# KiCad board panel_vcuts.kicad_pcb
title: Current Sense Amplifier; date: 2023-02-27; rev: A; company: Designed by Tobias N.; note: - Current Sense Amplifier -
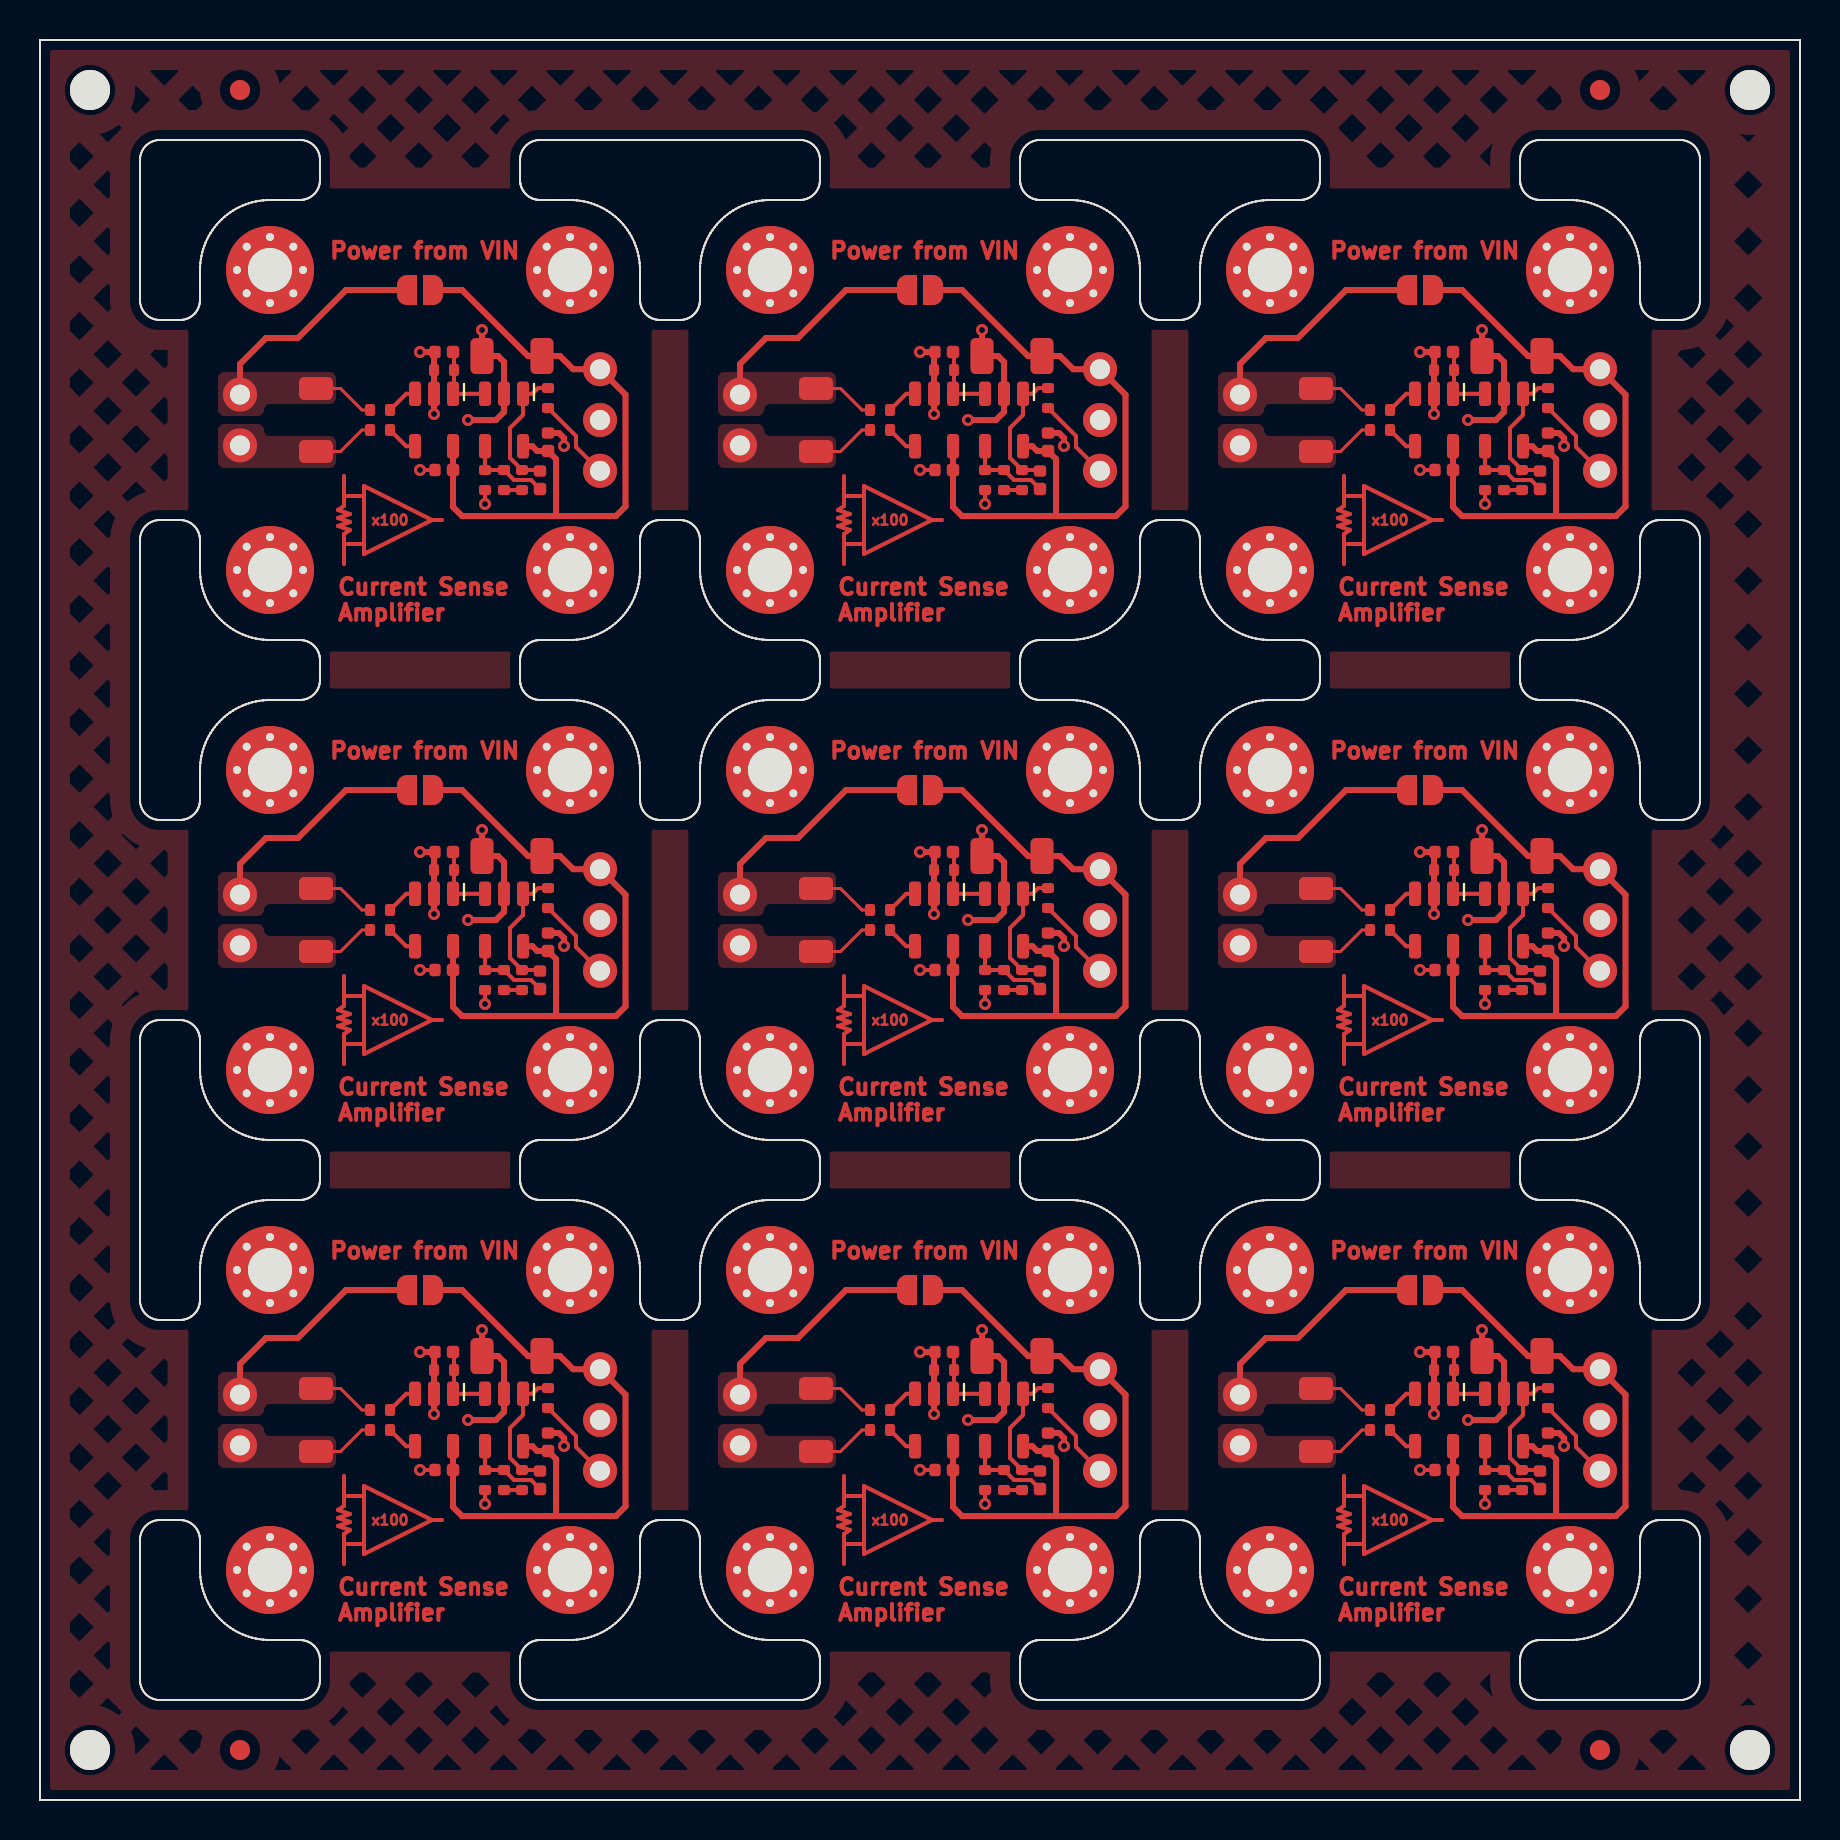
[diagram p0: board, top side]
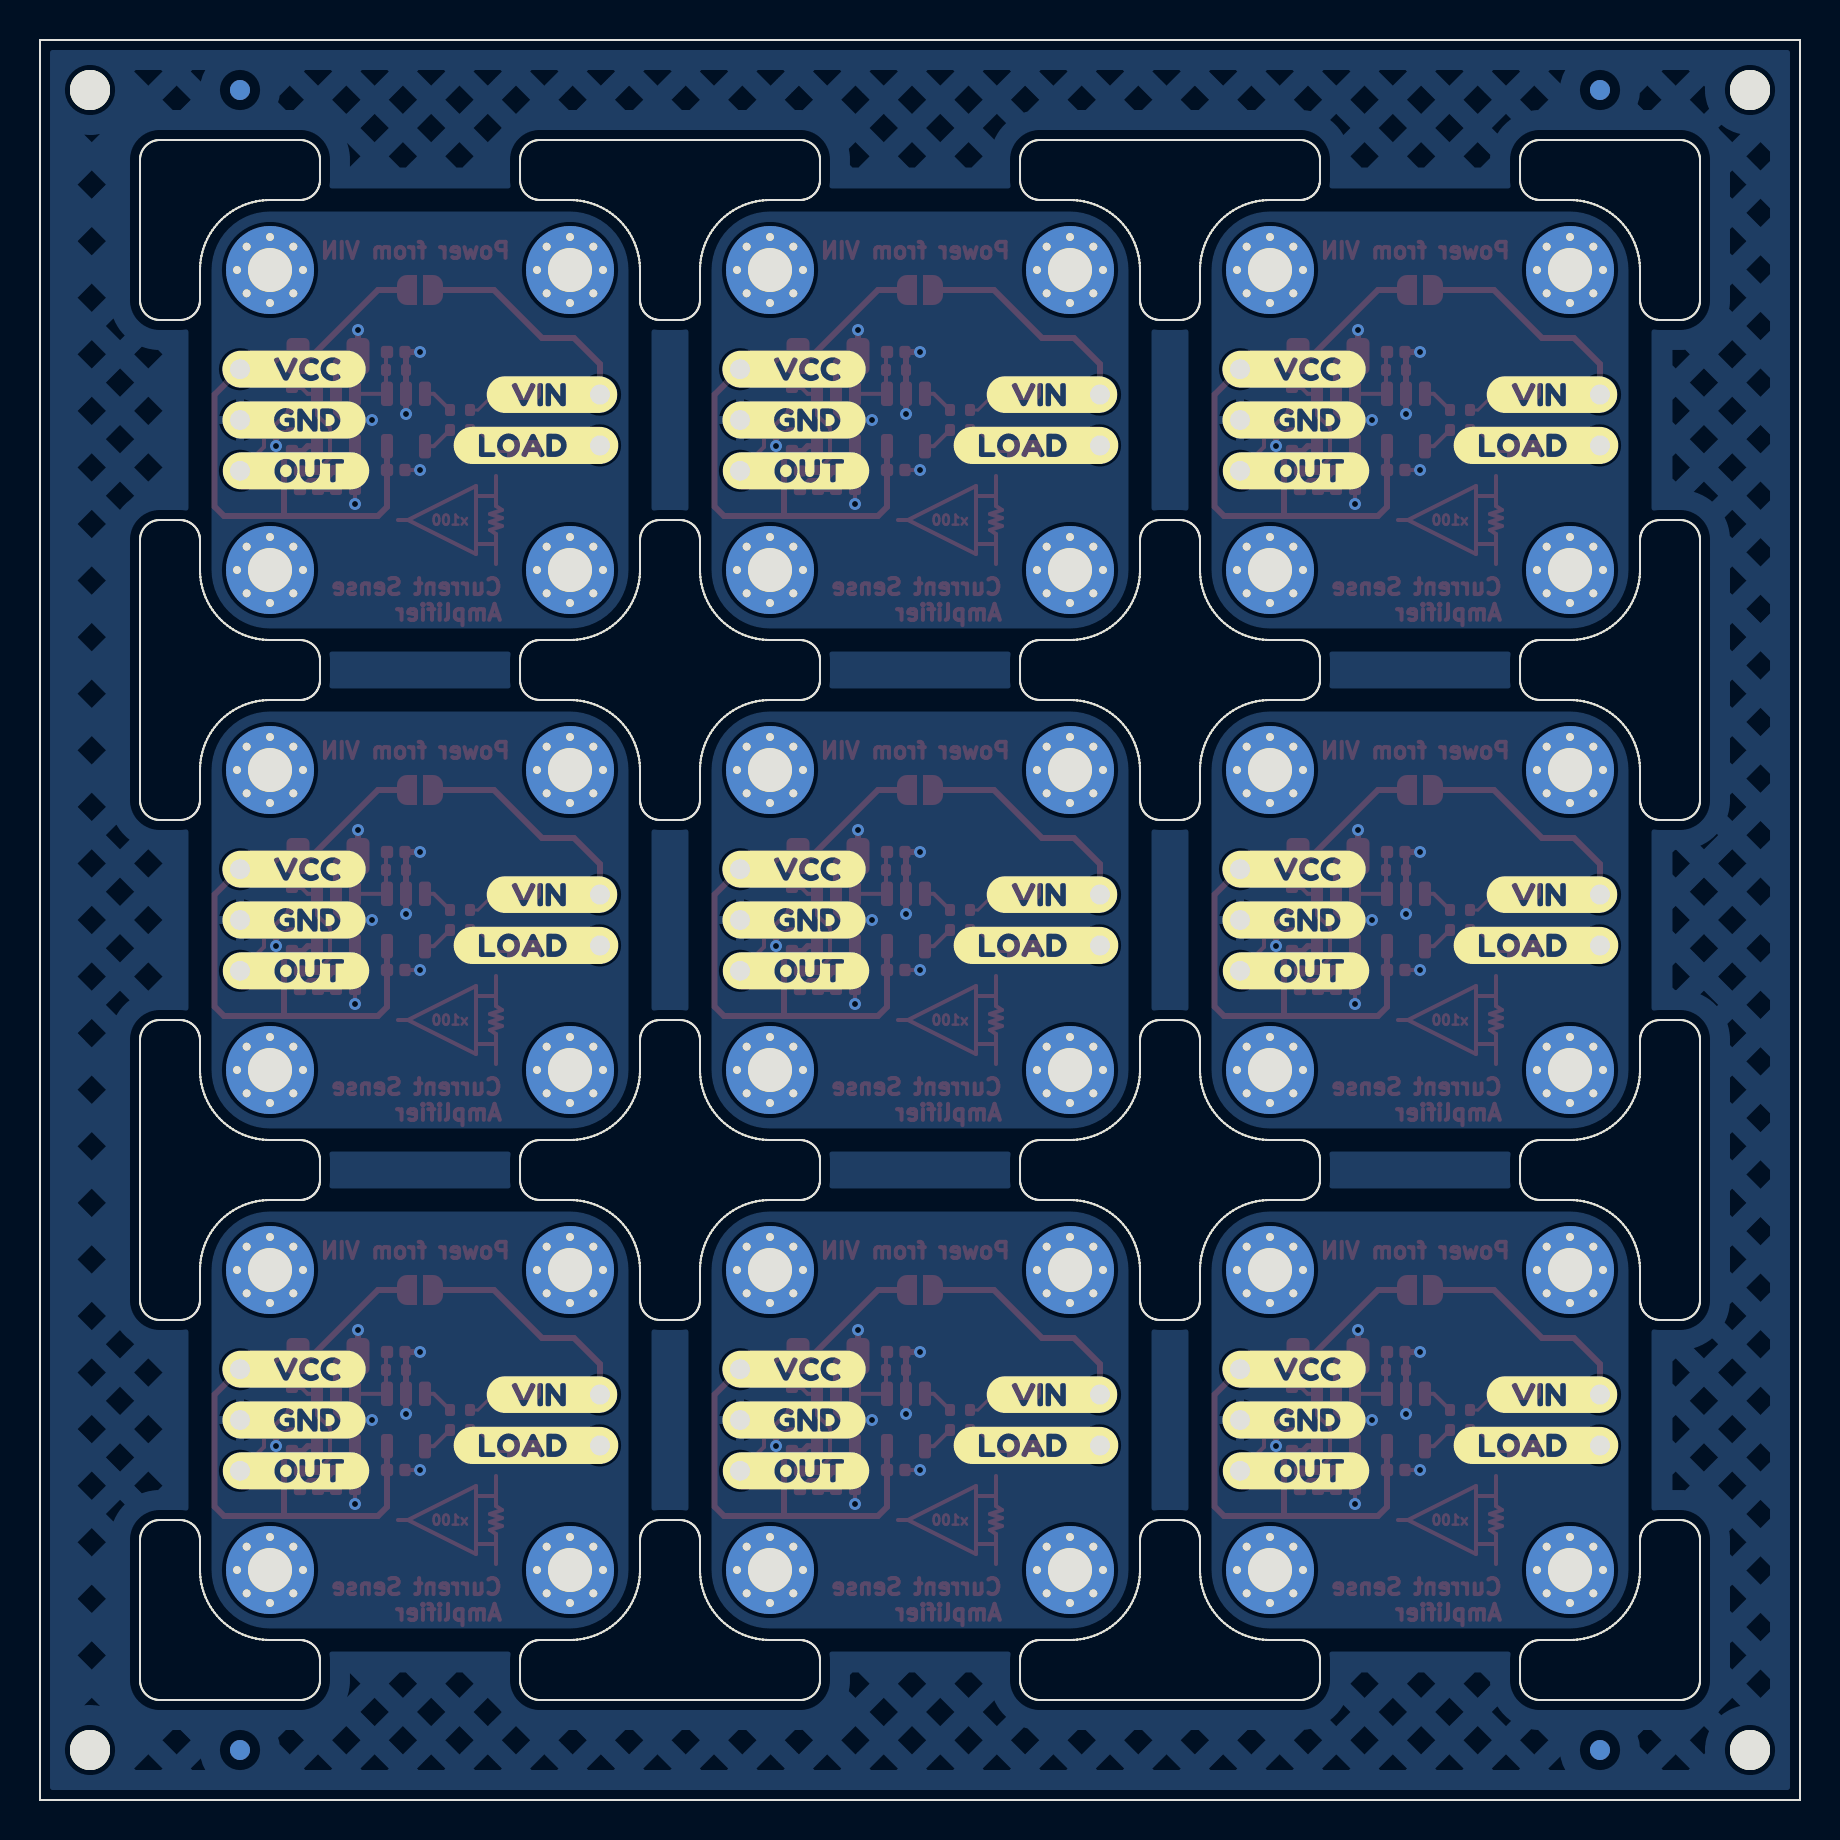
[diagram p1: board, bottom side, seen from below]

Outline 88 x 88 mm; copper layers: Top, Bottom. Coordinates in mm from the lower left corner of the outline.
Stack: Top 0.035mm / dielectric 1.51mm FR4 er 4.5 / Bottom 0.035mm

## Placement (name value [footprint] x y rotation side)
C1  2.2uF  [C_1206_(3216_Metric)]  73.6 47.2 180 top
C1#2  2.2uF  [C_1206_(3216_Metric)]  73.6 22.2 180 top
C1#3  2.2uF  [C_1206_(3216_Metric)]  48.6 22.2 180 top
C1#4  2.2uF  [C_1206_(3216_Metric)]  48.6 47.2 180 top
C1#5  2.2uF  [C_1206_(3216_Metric)]  23.6 22.2 180 top
C1#6  2.2uF  [C_1206_(3216_Metric)]  23.6 47.2 180 top
C1#7  2.2uF  [C_1206_(3216_Metric)]  23.6 72.2 180 top
C1#8  2.2uF  [C_1206_(3216_Metric)]  48.6 72.2 180 top
C1#9  2.2uF  [C_1206_(3216_Metric)]  73.6 72.2 180 top
C2  100nF  [C_0402_(1005_Metric)]  20.2 41.5 180 top
C2#2  100nF  [C_0402_(1005_Metric)]  45.2 16.5 180 top
C2#3  100nF  [C_0402_(1005_Metric)]  20.2 16.5 180 top
C2#4  100nF  [C_0402_(1005_Metric)]  70.2 41.5 180 top
C2#5  100nF  [C_0402_(1005_Metric)]  70.2 16.5 180 top
C2#6  100nF  [C_0402_(1005_Metric)]  20.2 66.5 180 top
C2#7  100nF  [C_0402_(1005_Metric)]  45.2 66.5 180 top
C2#8  100nF  [C_0402_(1005_Metric)]  45.2 41.5 180 top
C2#9  100nF  [C_0402_(1005_Metric)]  70.2 66.5 180 top
C3  100nF  [C_0402_(1005_Metric)]  25.4 42.9 90 top
C3#2  100nF  [C_0402_(1005_Metric)]  75.4 42.9 90 top
C3#3  100nF  [C_0402_(1005_Metric)]  25.4 67.9 90 top
C3#4  100nF  [C_0402_(1005_Metric)]  50.4 67.9 90 top
C3#5  100nF  [C_0402_(1005_Metric)]  75.4 17.9 90 top
C3#6  100nF  [C_0402_(1005_Metric)]  50.4 42.9 90 top
C3#7  100nF  [C_0402_(1005_Metric)]  25.4 17.9 90 top
C3#8  100nF  [C_0402_(1005_Metric)]  75.4 67.9 90 top
C3#9  100nF  [C_0402_(1005_Metric)]  50.4 17.9 90 top
C4  22pF  [C_0402_(1005_Metric)]  50 41 90 top
C4#2  22pF  [C_0402_(1005_Metric)]  75 66 90 top
C4#3  22pF  [C_0402_(1005_Metric)]  50 16 90 top
C4#4  22pF  [C_0402_(1005_Metric)]  25 41 90 top
C4#5  22pF  [C_0402_(1005_Metric)]  75 41 90 top
C4#6  22pF  [C_0402_(1005_Metric)]  75 16 90 top
C4#7  22pF  [C_0402_(1005_Metric)]  25 66 90 top
C4#8  22pF  [C_0402_(1005_Metric)]  25 16 90 top
C4#9  22pF  [C_0402_(1005_Metric)]  50 66 90 top
C5  100nF  [C_0402_(1005_Metric)]  20.2 72.4 180 top
C5#2  100nF  [C_0402_(1005_Metric)]  70.2 22.4 180 top
C5#3  100nF  [C_0402_(1005_Metric)]  20.2 47.4 180 top
C5#4  100nF  [C_0402_(1005_Metric)]  45.2 22.4 180 top
C5#5  100nF  [C_0402_(1005_Metric)]  70.2 72.4 180 top
C5#6  100nF  [C_0402_(1005_Metric)]  45.2 72.4 180 top
C5#7  100nF  [C_0402_(1005_Metric)]  45.2 47.4 180 top
C5#8  100nF  [C_0402_(1005_Metric)]  70.2 47.4 180 top
C5#9  100nF  [C_0402_(1005_Metric)]  20.2 22.4 180 top
H1  MountingHole  [MountingHole_M2]  61.5 61.5 0 top
H1#2  MountingHole  [MountingHole_M2]  36.5 36.5 0 top
H1#3  MountingHole  [MountingHole_M2]  36.5 61.5 0 top
H1#4  MountingHole  [MountingHole_M2]  36.5 11.5 0 top
H1#5  MountingHole  [MountingHole_M2]  11.5 11.5 0 top
H1#6  MountingHole  [MountingHole_M2]  11.5 36.5 0 top
H1#7  MountingHole  [MountingHole_M2]  61.5 11.5 0 top
H1#8  MountingHole  [MountingHole_M2]  61.5 36.5 0 top
H1#9  MountingHole  [MountingHole_M2]  11.5 61.5 0 top
H2  MountingHole  [MountingHole_M2]  61.5 26.5 0 top
H2#2  MountingHole  [MountingHole_M2]  36.5 51.5 0 top
H2#3  MountingHole  [MountingHole_M2]  61.5 51.5 0 top
H2#4  MountingHole  [MountingHole_M2]  11.5 51.5 0 top
H2#5  MountingHole  [MountingHole_M2]  36.5 76.5 0 top
H2#6  MountingHole  [MountingHole_M2]  11.5 76.5 0 top
H2#7  MountingHole  [MountingHole_M2]  11.5 26.5 0 top
H2#8  MountingHole  [MountingHole_M2]  36.5 26.5 0 top
H2#9  MountingHole  [MountingHole_M2]  61.5 76.5 0 top
H3  MountingHole  [MountingHole_M2]  26.5 76.5 0 top
H3#2  MountingHole  [MountingHole_M2]  51.5 26.5 0 top
H3#3  MountingHole  [MountingHole_M2]  76.5 76.5 0 top
H3#4  MountingHole  [MountingHole_M2]  76.5 51.5 0 top
H3#5  MountingHole  [MountingHole_M2]  76.5 26.5 0 top
H3#6  MountingHole  [MountingHole_M2]  51.5 76.5 0 top
H3#7  MountingHole  [MountingHole_M2]  26.5 51.5 0 top
H3#8  MountingHole  [MountingHole_M2]  26.5 26.5 0 top
H3#9  MountingHole  [MountingHole_M2]  51.5 51.5 0 top
H4  MountingHole  [MountingHole_M2]  76.5 61.5 0 top
H4#2  MountingHole  [MountingHole_M2]  26.5 61.5 0 top
H4#3  MountingHole  [MountingHole_M2]  51.5 61.5 0 top
H4#4  MountingHole  [MountingHole_M2]  51.5 36.5 0 top
H4#5  MountingHole  [MountingHole_M2]  26.5 11.5 0 top
H4#6  MountingHole  [MountingHole_M2]  51.5 11.5 0 top
H4#7  MountingHole  [MountingHole_M2]  76.5 11.5 0 top
H4#8  MountingHole  [MountingHole_M2]  26.5 36.5 0 top
H4#9  MountingHole  [MountingHole_M2]  76.5 36.5 0 top
J1  Header_1x03_P2.54  [PinHeader_1x02_P2.54mm_Vertical]  60 20.27 0 top
J1#2  Header_1x03_P2.54  [PinHeader_1x02_P2.54mm_Vertical]  10 20.27 0 top
J1#3  Header_1x03_P2.54  [PinHeader_1x02_P2.54mm_Vertical]  60 70.27 0 top
J1#4  Header_1x03_P2.54  [PinHeader_1x02_P2.54mm_Vertical]  10 45.27 0 top
J1#5  Header_1x03_P2.54  [PinHeader_1x02_P2.54mm_Vertical]  60 45.27 0 top
J1#6  Header_1x03_P2.54  [PinHeader_1x02_P2.54mm_Vertical]  35 20.27 0 top
J1#7  Header_1x03_P2.54  [PinHeader_1x02_P2.54mm_Vertical]  35 70.27 0 top
J1#8  Header_1x03_P2.54  [PinHeader_1x02_P2.54mm_Vertical]  10 70.27 0 top
J1#9  Header_1x03_P2.54  [PinHeader_1x02_P2.54mm_Vertical]  35 45.27 0 top
J2  Header_1x03_P2.54  [PinHeader_1x03_P2.54mm_Vertical]  78 71.54 0 top
J2#2  Header_1x03_P2.54  [PinHeader_1x03_P2.54mm_Vertical]  78 46.54 0 top
J2#3  Header_1x03_P2.54  [PinHeader_1x03_P2.54mm_Vertical]  78 21.54 0 top
J2#4  Header_1x03_P2.54  [PinHeader_1x03_P2.54mm_Vertical]  53 46.54 0 top
J2#5  Header_1x03_P2.54  [PinHeader_1x03_P2.54mm_Vertical]  28 71.54 0 top
J2#6  Header_1x03_P2.54  [PinHeader_1x03_P2.54mm_Vertical]  28 21.54 0 top
J2#7  Header_1x03_P2.54  [PinHeader_1x03_P2.54mm_Vertical]  53 21.54 0 top
J2#8  Header_1x03_P2.54  [PinHeader_1x03_P2.54mm_Vertical]  28 46.54 0 top
J2#9  Header_1x03_P2.54  [PinHeader_1x03_P2.54mm_Vertical]  53 71.54 0 top
JP1  SolderJumper_2  [SolderJumper-2]  19 25.5 0 top
JP1#2  SolderJumper_2  [SolderJumper-2]  69 25.5 0 top
JP1#3  SolderJumper_2  [SolderJumper-2]  44 25.5 0 top
JP1#4  SolderJumper_2  [SolderJumper-2]  69 50.5 0 top
JP1#5  SolderJumper_2  [SolderJumper-2]  19 50.5 0 top
JP1#6  SolderJumper_2  [SolderJumper-2]  44 75.5 0 top
JP1#7  SolderJumper_2  [SolderJumper-2]  69 75.5 0 top
JP1#8  SolderJumper_2  [SolderJumper-2]  44 50.5 0 top
JP1#9  SolderJumper_2  [SolderJumper-2]  19 75.5 0 top
kibuzzard-64025D5B  G***  [kibuzzard-64025D5B]  75.3 19 180 bottom
kibuzzard-64025D5B#2  G***  [kibuzzard-64025D5B]  25.3 69 180 bottom
kibuzzard-64025D5B#3  G***  [kibuzzard-64025D5B]  75.3 44 180 bottom
kibuzzard-64025D5B#4  G***  [kibuzzard-64025D5B]  50.3 44 180 bottom
kibuzzard-64025D5B#5  G***  [kibuzzard-64025D5B]  50.3 69 180 bottom
kibuzzard-64025D5B#6  G***  [kibuzzard-64025D5B]  75.3 69 180 bottom
kibuzzard-64025D5B#7  G***  [kibuzzard-64025D5B]  25.3 44 180 bottom
kibuzzard-64025D5B#8  G***  [kibuzzard-64025D5B]  25.3 19 180 bottom
kibuzzard-64025D5B#9  G***  [kibuzzard-64025D5B]  50.3 19 180 bottom
kibuzzard-64025D53  G***  [kibuzzard-64025D53]  25.3 46.54 180 bottom
kibuzzard-64025D53#2  G***  [kibuzzard-64025D53]  50.3 46.54 180 bottom
kibuzzard-64025D53#3  G***  [kibuzzard-64025D53]  50.3 71.54 180 bottom
kibuzzard-64025D53#4  G***  [kibuzzard-64025D53]  25.3 21.54 180 bottom
kibuzzard-64025D53#5  G***  [kibuzzard-64025D53]  75.3 21.54 180 bottom
kibuzzard-64025D53#6  G***  [kibuzzard-64025D53]  75.3 71.54 180 bottom
kibuzzard-64025D53#7  G***  [kibuzzard-64025D53]  50.3 21.54 180 bottom
kibuzzard-64025D53#8  G***  [kibuzzard-64025D53]  75.3 46.54 180 bottom
kibuzzard-64025D53#9  G***  [kibuzzard-64025D53]  25.3 71.54 180 bottom
kibuzzard-64025D67  G***  [kibuzzard-64025D67]  50.2 41.46 180 bottom
kibuzzard-64025D67#2  G***  [kibuzzard-64025D67]  75.2 16.46 180 bottom
kibuzzard-64025D67#3  G***  [kibuzzard-64025D67]  75.2 41.46 180 bottom
kibuzzard-64025D67#4  G***  [kibuzzard-64025D67]  25.2 16.46 180 bottom
kibuzzard-64025D67#5  G***  [kibuzzard-64025D67]  50.2 66.46 180 bottom
kibuzzard-64025D67#6  G***  [kibuzzard-64025D67]  25.2 41.46 180 bottom
kibuzzard-64025D67#7  G***  [kibuzzard-64025D67]  25.2 66.46 180 bottom
kibuzzard-64025D67#8  G***  [kibuzzard-64025D67]  50.2 16.46 180 bottom
kibuzzard-64025D67#9  G***  [kibuzzard-64025D67]  75.2 66.46 180 bottom
kibuzzard-64027212  G***  [kibuzzard-64027212]  62.4 70.27 180 bottom
kibuzzard-64027212#2  G***  [kibuzzard-64027212]  62.4 45.27 180 bottom
kibuzzard-64027212#3  G***  [kibuzzard-64027212]  37.4 70.27 180 bottom
kibuzzard-64027212#4  G***  [kibuzzard-64027212]  12.4 20.27 180 bottom
kibuzzard-64027212#5  G***  [kibuzzard-64027212]  37.4 45.27 180 bottom
kibuzzard-64027212#6  G***  [kibuzzard-64027212]  12.4 70.27 180 bottom
kibuzzard-64027212#7  G***  [kibuzzard-64027212]  37.4 20.27 180 bottom
kibuzzard-64027212#8  G***  [kibuzzard-64027212]  12.4 45.27 180 bottom
kibuzzard-64027212#9  G***  [kibuzzard-64027212]  62.4 20.27 180 bottom
kibuzzard-64027225  G***  [kibuzzard-64027225]  63.2 67.73 180 bottom
kibuzzard-64027225#2  G***  [kibuzzard-64027225]  13.2 17.73 180 bottom
kibuzzard-64027225#3  G***  [kibuzzard-64027225]  38.2 17.73 180 bottom
kibuzzard-64027225#4  G***  [kibuzzard-64027225]  13.2 67.73 180 bottom
kibuzzard-64027225#5  G***  [kibuzzard-64027225]  13.2 42.73 180 bottom
kibuzzard-64027225#6  G***  [kibuzzard-64027225]  38.2 42.73 180 bottom
kibuzzard-64027225#7  G***  [kibuzzard-64027225]  63.2 42.73 180 bottom
kibuzzard-64027225#8  G***  [kibuzzard-64027225]  63.2 17.73 180 bottom
kibuzzard-64027225#9  G***  [kibuzzard-64027225]  38.2 67.73 180 bottom
R1  1R 0.1%  [R_1206_(3216_Metric)]  13.8 69 270 top
R1#2  1R 0.1%  [R_1206_(3216_Metric)]  63.8 69 270 top
R1#3  1R 0.1%  [R_1206_(3216_Metric)]  63.8 44 270 top
R1#4  1R 0.1%  [R_1206_(3216_Metric)]  13.8 44 270 top
R1#5  1R 0.1%  [R_1206_(3216_Metric)]  38.8 19 270 top
R1#6  1R 0.1%  [R_1206_(3216_Metric)]  38.8 69 270 top
R1#7  1R 0.1%  [R_1206_(3216_Metric)]  38.8 44 270 top
R1#8  1R 0.1%  [R_1206_(3216_Metric)]  13.8 19 270 top
R1#9  1R 0.1%  [R_1206_(3216_Metric)]  63.8 19 270 top
R2  100R 0.05%  [R_0402_(1005_Metric)]  42 44.5 0 top
R2#2  100R 0.05%  [R_0402_(1005_Metric)]  17 19.5 0 top
R2#3  100R 0.05%  [R_0402_(1005_Metric)]  42 69.5 0 top
R2#4  100R 0.05%  [R_0402_(1005_Metric)]  17 44.5 0 top
R2#5  100R 0.05%  [R_0402_(1005_Metric)]  17 69.5 0 top
R2#6  100R 0.05%  [R_0402_(1005_Metric)]  67 69.5 0 top
R2#7  100R 0.05%  [R_0402_(1005_Metric)]  67 44.5 0 top
R2#8  100R 0.05%  [R_0402_(1005_Metric)]  42 19.5 0 top
R2#9  100R 0.05%  [R_0402_(1005_Metric)]  67 19.5 0 top
R3  100R 0.05%  [R_0402_(1005_Metric)]  17 18.5 0 top
R3#2  100R 0.05%  [R_0402_(1005_Metric)]  42 68.5 0 top
R3#3  100R 0.05%  [R_0402_(1005_Metric)]  67 43.5 0 top
R3#4  100R 0.05%  [R_0402_(1005_Metric)]  67 18.5 0 top
R3#5  100R 0.05%  [R_0402_(1005_Metric)]  42 43.5 0 top
R3#6  100R 0.05%  [R_0402_(1005_Metric)]  42 18.5 0 top
R3#7  100R 0.05%  [R_0402_(1005_Metric)]  17 43.5 0 top
R3#8  100R 0.05%  [R_0402_(1005_Metric)]  17 68.5 0 top
R3#9  100R 0.05%  [R_0402_(1005_Metric)]  67 68.5 0 top
R4  1k 0.05%  [R_0402_(1005_Metric)]  70.2 21.5 0 top
R4#2  1k 0.05%  [R_0402_(1005_Metric)]  45.2 46.5 0 top
R4#3  1k 0.05%  [R_0402_(1005_Metric)]  20.2 46.5 0 top
R4#4  1k 0.05%  [R_0402_(1005_Metric)]  45.2 71.5 0 top
R4#5  1k 0.05%  [R_0402_(1005_Metric)]  70.2 46.5 0 top
R4#6  1k 0.05%  [R_0402_(1005_Metric)]  20.2 21.5 0 top
R4#7  1k 0.05%  [R_0402_(1005_Metric)]  20.2 71.5 0 top
R4#8  1k 0.05%  [R_0402_(1005_Metric)]  70.2 71.5 0 top
R4#9  1k 0.05%  [R_0402_(1005_Metric)]  45.2 21.5 0 top
R5  1k 0.05%  [R_0402_(1005_Metric)]  47.25 41 90 top
R5#2  1k 0.05%  [R_0402_(1005_Metric)]  72.25 66 90 top
R5#3  1k 0.05%  [R_0402_(1005_Metric)]  47.25 66 90 top
R5#4  1k 0.05%  [R_0402_(1005_Metric)]  72.25 41 90 top
R5#5  1k 0.05%  [R_0402_(1005_Metric)]  72.25 16 90 top
R5#6  1k 0.05%  [R_0402_(1005_Metric)]  22.25 66 90 top
R5#7  1k 0.05%  [R_0402_(1005_Metric)]  47.25 16 90 top
R5#8  1k 0.05%  [R_0402_(1005_Metric)]  22.25 16 90 top
R5#9  1k 0.05%  [R_0402_(1005_Metric)]  22.25 41 90 top
R6  6k8 0.05%  [R_0402_(1005_Metric)]  23.2 16 270 top
R6#2  6k8 0.05%  [R_0402_(1005_Metric)]  73.2 41 270 top
R6#3  6k8 0.05%  [R_0402_(1005_Metric)]  23.2 41 270 top
R6#4  6k8 0.05%  [R_0402_(1005_Metric)]  48.2 41 270 top
R6#5  6k8 0.05%  [R_0402_(1005_Metric)]  48.2 66 270 top
R6#6  6k8 0.05%  [R_0402_(1005_Metric)]  73.2 16 270 top
R6#7  6k8 0.05%  [R_0402_(1005_Metric)]  73.2 66 270 top
R6#8  6k8 0.05%  [R_0402_(1005_Metric)]  23.2 66 270 top
R6#9  6k8 0.05%  [R_0402_(1005_Metric)]  48.2 16 270 top
R7  2k2 0.05%  [R_0402_(1005_Metric)]  24.1 16 90 top
R7#2  2k2 0.05%  [R_0402_(1005_Metric)]  24.1 66 90 top
R7#3  2k2 0.05%  [R_0402_(1005_Metric)]  24.1 41 90 top